# Altium PCB mantarray_beta2_sensor_arrayed.PcbDoc (part 5 of 14) (continued)
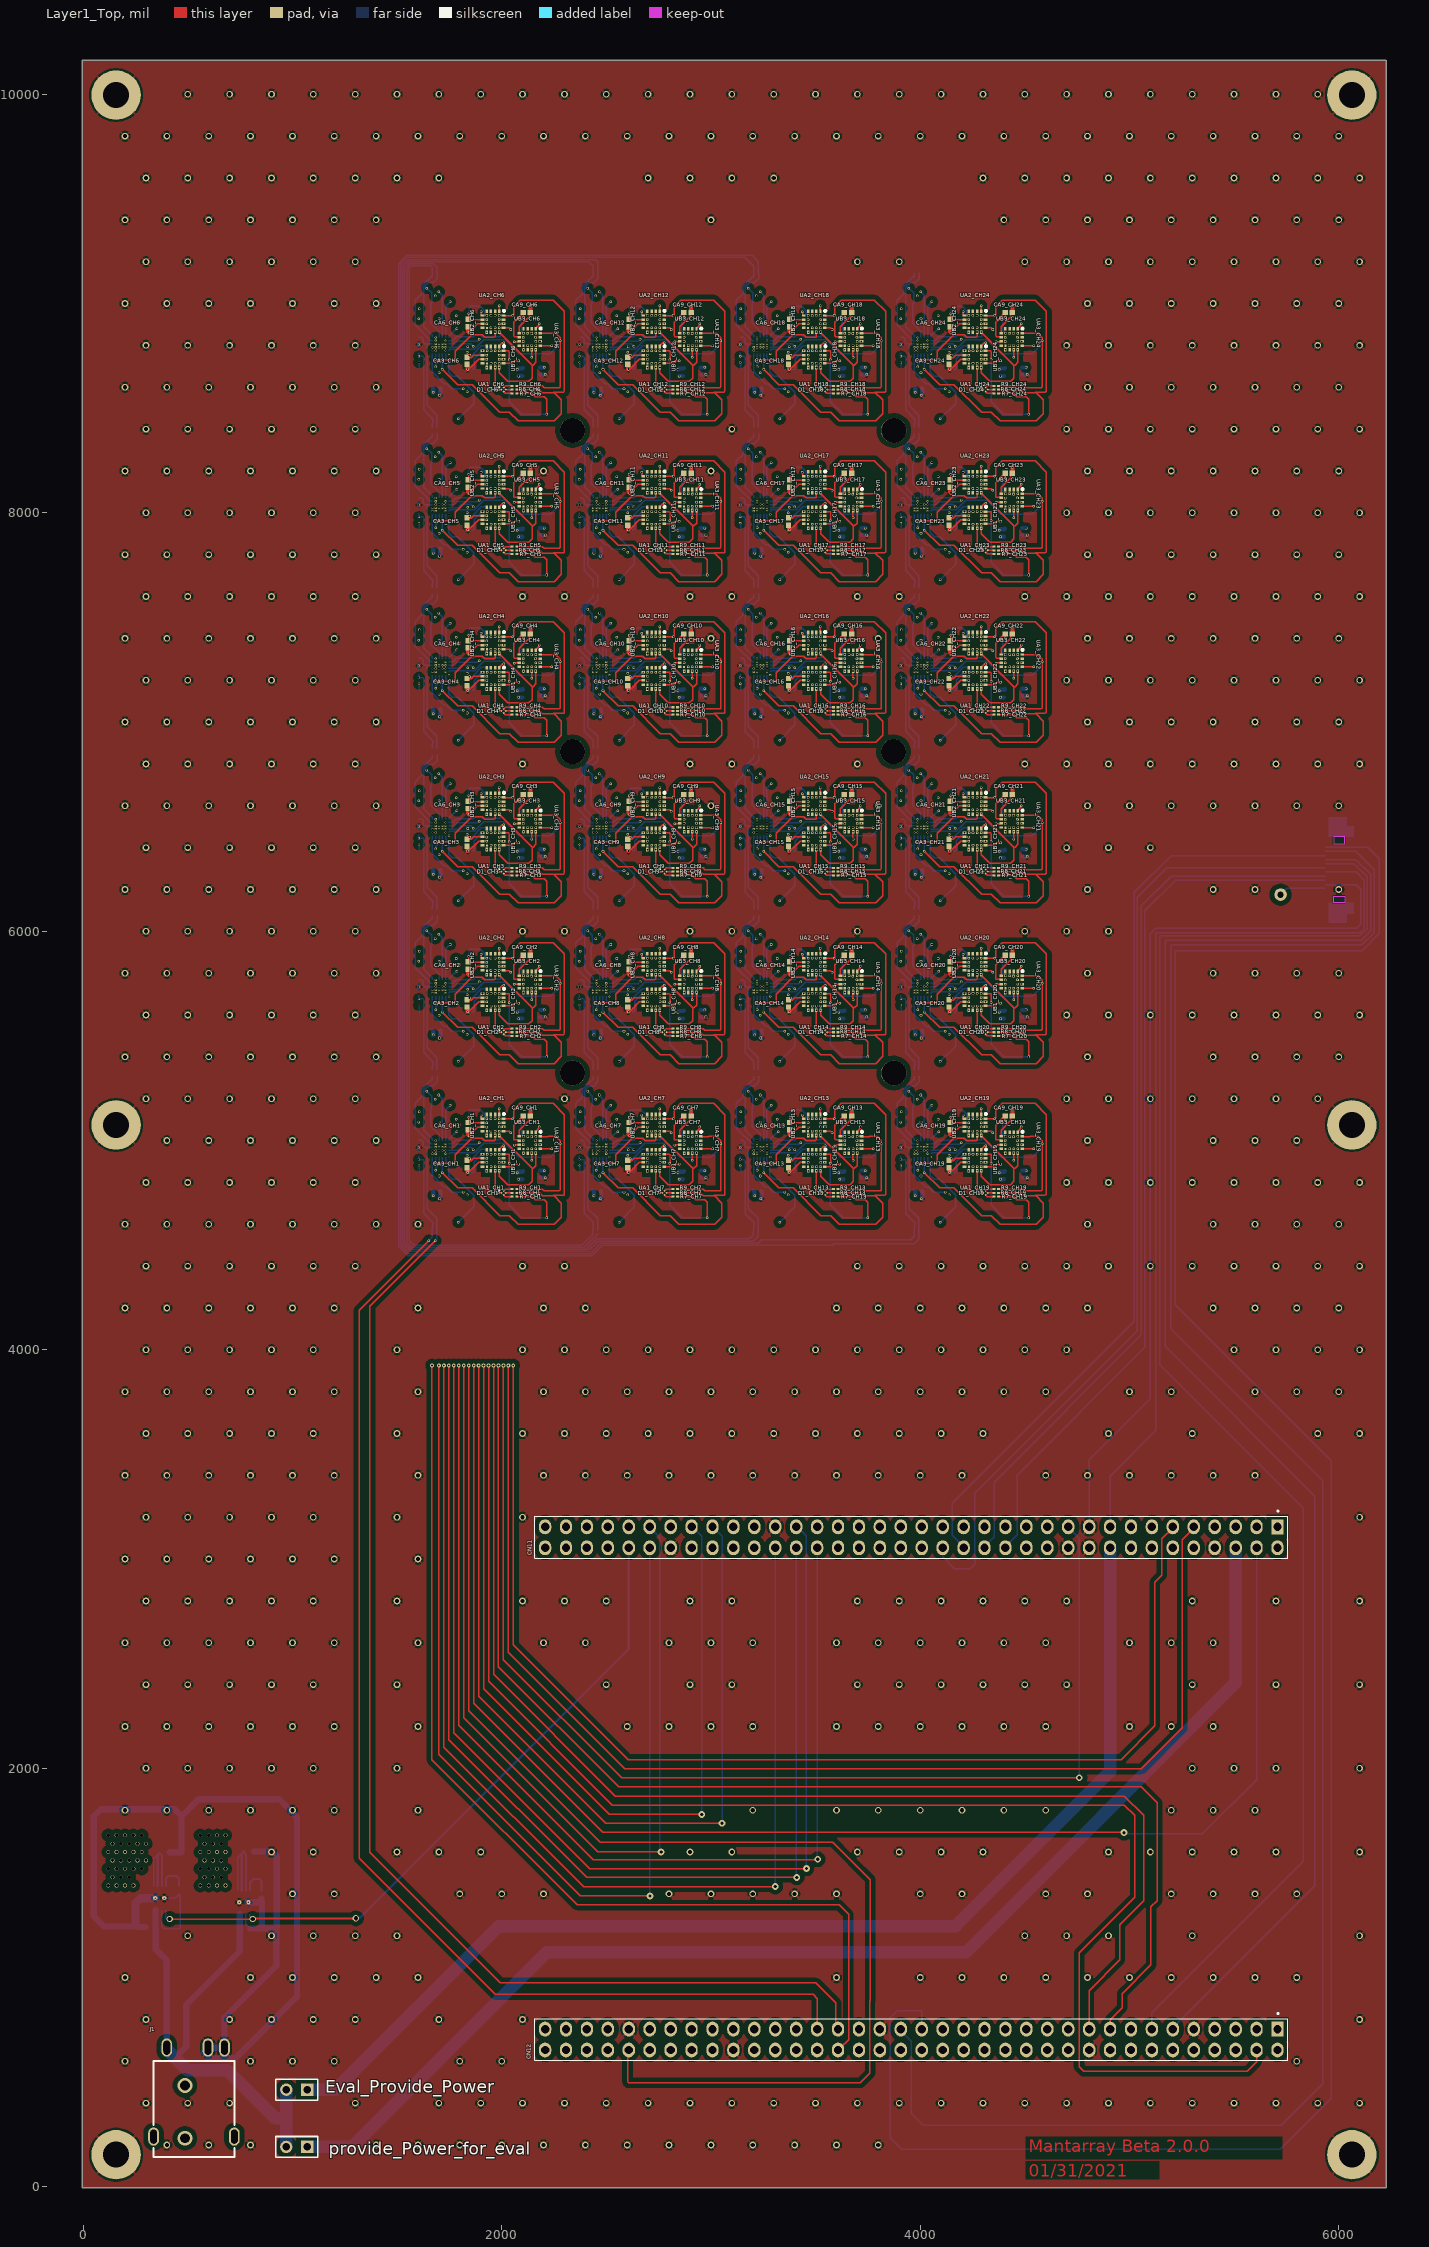
[diagram p0: Layer1_Top view]
## Nets (pads, with @x,y where several pads share a name; then routed paths per layer and width w, separated by ;. In a path a pad name is that pad's centre, name@x,y a point inside that pad or via, vN(x,y) a via of type N, cw(c..) or ccw(c..) an arc to the next point about the centre after c; other vN are vias at no path point) (continued)
  Layer7_sig2 w6: v4(1594.3,9358.08) 1594.74,9357.63 1616.48,9357.63 1616.92,9358.08 2329.38,9358.08 v4(2398.84,9288.61) ; v1(1603.68,5088.58) 1604.83,5087.43 1618.45,5087.43 1619.16,5086.72 1627.26,5086.72 1633.06,5092.52 1657.48,5092.52 1700.79,5049.21 v5(1700.79,4984.25) ; v1(1603.68,5856.3) 1604.83,5855.15 1618.45,5855.15 1619.16,5854.44 1627.26,5854.44 1633.06,5860.24 1657.48,5860.24 1700.79,5816.93 v5(1700.79,5751.97) ; v1(1603.68,6624.02) 1604.83,6622.87 1618.45,6622.87 1619.16,6622.16 1627.26,6622.16 1633.06,6627.95 1657.48,6627.95 1700.79,6584.65 v5(1700.79,6519.69) ; v1(1603.68,7391.73) 1604.83,7390.58 1618.45,7390.58 1619.16,7389.87 1627.26,7389.87 1633.06,7395.67 1657.48,7395.67 1700.79,7352.36 v5(1700.79,7287.4) ; v1(1603.68,8159.45) 1604.83,8158.3 1618.45,8158.3 1619.16,8157.59 1627.26,8157.59 1633.06,8163.39 1657.48,8163.39 1700.79,8120.08 v5(1700.79,8055.12) ; v1(1603.68,8927.17) 1604.83,8926.02 1618.45,8926.02 1619.16,8925.31 1627.26,8925.31 1633.06,8931.1 1657.48,8931.1 1700.79,8887.8 v5(1700.79,8822.83) ; v1(2371.39,5088.58) 2372.54,5087.43 2386.17,5087.43 2386.88,5086.72 2394.98,5086.72 2400.77,5092.52 2425.2,5092.52 2468.5,5049.21 v5(2468.5,4984.25) ; v1(2371.39,5856.3) 2372.54,5855.15 2386.17,5855.15 2386.88,5854.44 2394.98,5854.44 2400.77,5860.24 2425.2,5860.24 2468.5,5816.93 v5(2468.5,5751.97) ; v1(2371.39,6624.02) 2372.54,6622.87 2386.17,6622.87 2386.88,6622.16 2394.98,6622.16 2400.77,6627.95 2425.2,6627.95 2468.5,6584.65 v5(2468.5,6519.69) ; v1(2371.39,7391.73) 2372.54,7390.58 2386.17,7390.58 2386.88,7389.87 2394.98,7389.87 2400.77,7395.67 2425.2,7395.67 2468.5,7352.36 v5(2468.5,7287.4) ; v1(2371.39,8159.45) 2372.54,8158.3 2386.17,8158.3 2386.88,8157.59 2394.98,8157.59 2400.77,8163.39 2425.2,8163.39 2468.5,8120.08 v5(2468.5,8055.12) ; v1(2371.39,8927.17) 2372.54,8926.02 2386.17,8926.02 2386.88,8925.31 2394.98,8925.31 2400.77,8931.1 2425.2,8931.1 2468.5,8887.8 v5(2468.5,8822.83) ; v4(2389.57,4348.62) 2390.02,4349.06 2411.76,4349.06 2412.2,4348.62 3134.5,4348.62 v4(3250.22,4464.34) ; v1(3139.11,5088.58) 3140.26,5087.43 3153.88,5087.43 3154.59,5086.72 3162.7,5086.72 3168.49,5092.52 3192.91,5092.52 3236.22,5049.21 v5(3236.22,4984.25) ; v1(3139.11,5856.3) 3140.26,5855.15 3153.88,5855.15 3154.59,5854.44 3162.7,5854.44 3168.49,5860.24 3192.91,5860.24 3236.22,5816.93 v5(3236.22,5751.97) ; v1(3139.11,6624.02) 3140.26,6622.87 3153.88,6622.87 3154.59,6622.16 3162.7,6622.16 3168.49,6627.95 3192.91,6627.95 3236.22,6584.65 v5(3236.22,6519.69) ; v1(3139.11,7391.73) 3140.26,7390.58 3153.88,7390.58 3154.59,7389.87 3162.7,7389.87 3168.49,7395.67 3192.91,7395.67 3236.22,7352.36 v5(3236.22,7287.4) ; v1(3139.11,8159.45) 3140.26,8158.3 3153.88,8158.3 3154.59,8157.59 3162.7,8157.59 3168.49,8163.39 3192.91,8163.39 3236.22,8120.08 v5(3236.22,8055.12) ; v1(3139.11,8927.17) 3140.26,8926.02 3153.88,8926.02 3154.59,8925.31 3162.7,8925.31 3168.49,8931.1 3192.91,8931.1 3236.22,8887.8 v5(3236.22,8822.83) ; v4(3161.23,9340.36) 3161.67,9339.92 3903.8,9339.92 v4(3905.32,9338.39) ; v1(3906.83,5088.58) 3907.97,5087.43 3921.6,5087.43 3922.31,5086.72 3930.41,5086.72 3936.21,5092.52 3960.63,5092.52 4003.94,5049.21 v5(4003.94,4984.25) ; v1(3906.83,5856.3) 3907.97,5855.15 3921.6,5855.15 3922.31,5854.44 3930.41,5854.44 3936.21,5860.24 3960.63,5860.24 4003.94,5816.93 v5(4003.94,5751.97) ; v1(3906.83,6624.02) 3907.97,6622.87 3921.6,6622.87 3922.31,6622.16 3930.41,6622.16 3936.21,6627.95 3960.63,6627.95 4003.94,6584.65 v5(4003.94,6519.69) ; v1(3906.83,7391.73) 3907.97,7390.58 3921.6,7390.58 3922.31,7389.87 3930.41,7389.87 3936.21,7395.67 3960.63,7395.67 4003.94,7352.36 v5(4003.94,7287.4) ; v1(3906.83,8159.45) 3907.97,8158.3 3921.6,8158.3 3922.31,8157.59 3930.41,8157.59 3936.21,8163.39 3960.63,8163.39 4003.94,8120.08 v5(4003.94,8055.12) ; v1(3906.83,8927.17) 3907.97,8926.02 3921.6,8926.02 3922.31,8925.31 3930.41,8925.31 3936.21,8931.1 3960.63,8931.1 4003.94,8887.8 v5(4003.94,8822.83)
  Layer8_BOT w6: CN11.62@2707.48,3053.94 2707.48,1390.94 v9(2708.66,1389.76)
BUS7: CN12.44 pad.5@1708.66,4557.09 pad.5@1708.66,5320.87 pad.5@1708.66,5324.8 pad.5@1708.66,6088.58 pad.5@1708.66,6092.52 pad.5@1708.66,6856.3 pad.5@1708.66,6860.24 pad.5@1708.66,7624.02 pad.5@1708.66,7627.95 pad.5@1708.66,8391.73 pad.5@1708.66,8395.67 pad.5@1708.66,9159.45 pad.5@2476.38,4557.09 pad.5@2476.38,5320.87 pad.5@2476.38,5324.8 pad.5@2476.38,6088.58 pad.5@2476.38,6092.52 pad.5@2476.38,6856.3 pad.5@2476.38,6860.24 pad.5@2476.38,7624.02 pad.5@2476.38,7627.95 pad.5@2476.38,8391.73 pad.5@2476.38,8395.67 pad.5@2476.38,9159.45 pad.5@3244.09,4557.09 pad.5@3244.09,5320.87 pad.5@3244.09,5324.8 pad.5@3244.09,6088.58 pad.5@3244.09,6092.52 pad.5@3244.09,6856.3 pad.5@3244.09,6860.24 pad.5@3244.09,7624.02 pad.5@3244.09,7627.95 pad.5@3244.09,8391.73 pad.5@3244.09,8395.67 pad.5@3244.09,9159.45 pad.5@4011.81,4557.09 pad.5@4011.81,5320.87 pad.5@4011.81,5324.8 pad.5@4011.81,6088.58 pad.5@4011.81,6092.52 pad.5@4011.81,6856.3 pad.5@4011.81,6860.24 pad.5@4011.81,7624.02 pad.5@4011.81,7627.95 pad.5@4011.81,8391.73 pad.5@4011.81,8395.67 pad.5@4011.81,9159.45 U1_CH1.A4 U1_CH2.A4 U1_CH3.A4 U1_CH4.A4 U1_CH5.A4 U1_CH6.A4 U1_CH7.A4 U1_CH8.A4 U1_CH9.A4 U1_CH10.A4 U1_CH11.A4 U1_CH12.A4 U1_CH13.A4 U1_CH14.A4 U1_CH15.A4 U1_CH16.A4 U1_CH17.A4 U1_CH18.A4 U1_CH19.A4 U1_CH20.A4 U1_CH21.A4 U1_CH22.A4 U1_CH23.A4 U1_CH24.A4 | length 36691.8
  Layer1_Top w6: v8(1667.07,3925.19) 1667.07,2041.08 2361.23,1346.91 3612.63,1346.91 3657.48,1302.06 3657.48,701.94 3638.67,683.13 3636.68,683.13 CN12.44@3607.48,653.94
  Layer6_BUS w6: v4(1578.74,9342.52) 1708.66,9212.6 pad.5@1708.66,9159.45 ; v1(1642.76,5235.19) 1641.73,5236.22 1641.73,5248.03 ; v1(1642.76,6002.91) 1641.73,6003.94 1641.73,6015.75 ; v1(1642.76,6770.62) 1641.73,6771.65 1641.73,6783.46 ; v1(1642.76,7538.34) 1641.73,7539.37 1641.73,7551.18 ; v1(1642.76,8306.06) 1641.73,8307.09 1641.73,8318.9 ; v1(1642.76,9073.77) 1641.73,9074.8 1641.73,9086.61 ; v8(1667.07,3925.19) 1667.07,3970.22 1708.66,4011.81 pad.5@1708.66,4557.09 1708.66,4574.8 1580.36,4703.1 1580.36,5186.66 1641.73,5248.03 ; pad.5@1707.8,5323.95 1707.8,5314.1 1641.73,5248.03 ; pad.5@1707.8,6091.66 1707.8,6081.82 1641.73,6015.75 ; pad.5@1707.8,6859.38 1707.8,6849.54 1641.73,6783.46 ; pad.5@1707.8,7627.1 1707.8,7617.25 1641.73,7551.18 ; pad.5@1707.8,8394.81 1707.8,8384.97 1641.73,8318.9 ; pad.5@1707.8,9162.53 1707.8,9152.69 1641.73,9086.61 ; pad.5@1708.66,5324.8 1708.66,5342.52 1580.36,5470.82 1580.36,5954.38 1641.73,6015.75 ; pad.5@1708.66,6092.52 1708.66,6110.24 1580.36,6238.54 1580.36,6722.09 1641.73,6783.46 ; pad.5@1708.66,6860.24 1708.66,6877.95 1580.36,7006.25 1580.36,7489.81 1641.73,7551.18 ; pad.5@1708.66,7627.95 1708.66,7645.67 1580.36,7773.97 1580.36,8257.53 1641.73,8318.9 ; pad.5@1708.66,8395.67 1708.66,8413.39 1580.36,8541.68 1580.36,9025.24 1641.73,9086.61 ; v4(2374.02,4364.17) 2374.46,4364.62 2400.05,4364.62 2476.38,4440.94 pad.5@2476.38,4557.09 2476.38,4574.8 2348.08,4703.1 2348.08,5186.66 2409.45,5248.03 ; v4(2383.29,9273.05) 2476.38,9179.96 pad.5@2476.38,9159.45 ; v1(2410.48,5235.19) 2409.45,5236.22 2409.45,5248.03 ; v1(2410.48,6002.91) 2409.45,6003.94 2409.45,6015.75 ; v1(2410.48,6770.62) 2409.45,6771.65 2409.45,6783.46 ; v1(2410.48,7538.34) 2409.45,7539.37 2409.45,7551.18 ; v1(2410.48,8306.06) 2409.45,8307.09 2409.45,8318.9 ; v1(2410.48,9073.77) 2409.45,9074.8 2409.45,9086.61 ; pad.5@2475.52,5323.95 2475.52,5314.1 2409.45,5248.03 ; pad.5@2475.52,6091.66 2475.52,6081.82 2409.45,6015.75 ; pad.5@2475.52,6859.38 2475.52,6849.54 2409.45,6783.46 ; pad.5@2475.52,7627.1 2475.52,7617.25 2409.45,7551.18 ; pad.5@2475.52,8394.81 2475.52,8384.97 2409.45,8318.9 ; pad.5@2475.52,9162.53 2475.52,9152.69 2409.45,9086.61 ; pad.5@2476.38,5324.8 2476.38,5342.52 2348.08,5470.82 2348.08,5954.38 2409.45,6015.75 ; pad.5@2476.38,6092.52 2476.38,6110.24 2348.08,6238.54 2348.08,6722.09 2409.45,6783.46 ; pad.5@2476.38,6860.24 2476.38,6877.95 2348.08,7006.25 2348.08,7489.81 2409.45,7551.18 ; pad.5@2476.38,7627.95 2476.38,7645.67 2348.08,7773.97 2348.08,8257.53 2409.45,8318.9 ; pad.5@2476.38,8395.67 2476.38,8413.39 2348.08,8541.68 2348.08,9025.24 2409.45,9086.61 ; v4(3145.67,9324.8) 3244.09,9226.38 pad.5@3244.09,9159.45 ; v1(3178.2,5235.19) 3177.17,5236.22 3177.17,5248.03 ; v1(3178.2,6002.91) 3177.17,6003.94 3177.17,6015.75 ; v1(3178.2,6770.62) 3177.17,6771.65 3177.17,6783.46 ; v1(3178.2,7538.34) 3177.17,7539.37 3177.17,7551.18 ; v1(3178.2,8306.06) 3177.17,8307.09 3177.17,8318.9 ; v1(3178.2,9073.77) 3177.17,9074.8 3177.17,9086.61 ; v4(3234.67,4479.9) 3234.67,4483.15 3244.09,4492.58 pad.5@3244.09,4557.09 3244.09,4574.8 3115.8,4703.1 3115.8,5186.66 3177.17,5248.03 ; pad.5@3243.24,5323.95 3243.24,5314.1 3177.17,5248.03 ; pad.5@3243.24,6091.66 3243.24,6081.82 3177.17,6015.75 ; pad.5@3243.24,6859.38 3243.24,6849.54 3177.17,6783.46 ; pad.5@3243.24,7627.1 3243.24,7617.25 3177.17,7551.18 ; pad.5@3243.24,8394.81 3243.24,8384.97 3177.17,8318.9 ; pad.5@3243.24,9162.53 3243.24,9152.69 3177.17,9086.61 ; pad.5@3244.09,5324.8 3244.09,5342.52 3115.8,5470.82 3115.8,5954.38 3177.17,6015.75 ; pad.5@3244.09,6092.52 3244.09,6110.24 3115.8,6238.54 3115.8,6722.09 3177.17,6783.46 ; pad.5@3244.09,6860.24 3244.09,6877.95 3115.8,7006.25 3115.8,7489.81 3177.17,7551.18 ; pad.5@3244.09,7627.95 3244.09,7645.67 3115.8,7773.97 3115.8,8257.53 3177.17,8318.9 ; pad.5@3244.09,8395.67 3244.09,8413.39 3115.8,8541.68 3115.8,9025.24 3177.17,9086.61 ; v4(3889.76,9322.83) 4011.06,9201.54 pad.5@4011.06,9160.2 ; v1(3945.91,5235.19) 3944.88,5236.22 3944.88,5248.03 ; v1(3945.91,6002.91) 3944.88,6003.94 3944.88,6015.75 ; v1(3945.91,6770.62) 3944.88,6771.65 3944.88,6783.46 ; v1(3945.91,7538.34) 3944.88,7539.37 3944.88,7551.18 ; v1(3945.91,8306.06) 3944.88,8307.09 3944.88,8318.9 ; v1(3945.91,9073.77) 3944.88,9074.8 3944.88,9086.61 ; pad.5@4010.95,5323.95 4010.95,5314.1 3944.88,5248.03 ; pad.5@4010.95,6091.66 4010.95,6081.82 3944.88,6015.75 ; pad.5@4010.95,6859.38 4010.95,6849.54 3944.88,6783.46 ; pad.5@4010.95,7627.1 4010.95,7617.25 3944.88,7551.18 ; pad.5@4010.95,8394.81 4010.95,8384.97 3944.88,8318.9 ; pad.5@4010.95,9162.53 4010.95,9152.69 3944.88,9086.61 ; pad.5@4011.81,4557.09 4011.81,4574.8 3883.51,4703.1 3883.51,5186.66 3944.88,5248.03 ; pad.5@4011.81,5324.8 4011.81,5342.52 3883.51,5470.82 3883.51,5954.38 3944.88,6015.75 ; pad.5@4011.81,6092.52 4011.81,6110.24 3883.51,6238.54 3883.51,6722.09 3944.88,6783.46 ; pad.5@4011.81,6860.24 4011.81,6877.95 3883.51,7006.25 3883.51,7489.81 3944.88,7551.18 ; pad.5@4011.81,7627.95 4011.81,7645.67 3883.51,7773.97 3883.51,8257.53 3944.88,8318.9 ; pad.5@4011.81,8395.67 4011.81,8413.39 3883.51,8541.68 3883.51,9025.24 3944.88,9086.61
  Layer7_sig2 w6: v4(1578.74,9342.52) 1579.18,9342.08 1600.92,9342.08 1601.37,9342.52 2313.82,9342.52 v4(2383.29,9273.05) ; v4(2374.02,4364.17) 2374.46,4364.62 2396.2,4364.62 2396.64,4364.17 3118.94,4364.17 v4(3234.67,4479.9) ; v4(3145.67,9324.8) 3146.11,9324.36 3888.24,9324.36 v4(3889.76,9322.83)
  Layer8_BOT w6: v1(1642.76,5235.19) 1665.35,5212.6 1665.35,5164.54 1661.42,5160.61 1661.42,5068.9 1700.79,5029.53 U1_CH1.A4@1700.79,5000 ; v1(1642.76,6002.91) 1665.35,5980.31 1665.35,5932.26 1661.42,5928.32 1661.42,5836.61 1700.79,5797.24 U1_CH2.A4@1700.79,5767.72 ; v1(1642.76,6770.62) 1665.35,6748.03 1665.35,6699.98 1661.42,6696.04 1661.42,6604.33 1700.79,6564.96 U1_CH3.A4@1700.79,6535.43 ; v1(1642.76,7538.34) 1665.35,7515.75 1665.35,7467.69 1661.42,7463.76 1661.42,7372.05 1700.79,7332.68 U1_CH4.A4@1700.79,7303.15 ; v1(1642.76,8306.06) 1665.35,8283.46 1665.35,8235.41 1661.42,8231.47 1661.42,8139.76 1700.79,8100.39 U1_CH5.A4@1700.79,8070.87 ; v1(1642.76,9073.77) 1665.35,9051.18 1665.35,9003.13 1661.42,8999.19 1661.42,8907.48 1700.79,8868.11 U1_CH6.A4@1700.79,8838.58 ; v1(2410.48,5235.19) 2433.07,5212.6 2433.07,5164.54 2429.13,5160.61 2429.13,5068.9 2468.5,5029.53 U1_CH7.A4@2468.5,5000 ; v1(2410.48,6002.91) 2433.07,5980.31 2433.07,5932.26 2429.13,5928.32 2429.13,5836.61 2468.5,5797.24 U1_CH8.A4@2468.5,5767.72 ; v1(2410.48,6770.62) 2433.07,6748.03 2433.07,6699.98 2429.13,6696.04 2429.13,6604.33 2468.5,6564.96 U1_CH9.A4@2468.5,6535.43 ; v1(2410.48,7538.34) 2433.07,7515.75 2433.07,7467.69 2429.13,7463.76 2429.13,7372.05 2468.5,7332.68 U1_CH10.A4@2468.5,7303.15 ; v1(2410.48,8306.06) 2433.07,8283.46 2433.07,8235.41 2429.13,8231.47 2429.13,8139.76 2468.5,8100.39 U1_CH11.A4@2468.5,8070.87 ; v1(2410.48,9073.77) 2433.07,9051.18 2433.07,9003.13 2429.13,8999.19 2429.13,8907.48 2468.5,8868.11 U1_CH12.A4@2468.5,8838.58 ; v1(3178.2,5235.19) 3200.79,5212.6 3200.79,5164.54 3196.85,5160.61 3196.85,5068.9 3236.22,5029.53 U1_CH13.A4@3236.22,5000 ; v1(3178.2,6002.91) 3200.79,5980.31 3200.79,5932.26 3196.85,5928.32 3196.85,5836.61 3236.22,5797.24 U1_CH14.A4@3236.22,5767.72 ; v1(3178.2,6770.62) 3200.79,6748.03 3200.79,6699.98 3196.85,6696.04 3196.85,6604.33 3236.22,6564.96 U1_CH15.A4@3236.22,6535.43 ; v1(3178.2,7538.34) 3200.79,7515.75 3200.79,7467.69 3196.85,7463.76 3196.85,7372.05 3236.22,7332.68 U1_CH16.A4@3236.22,7303.15 ; v1(3178.2,8306.06) 3200.79,8283.46 3200.79,8235.41 3196.85,8231.47 3196.85,8139.76 3236.22,8100.39 U1_CH17.A4@3236.22,8070.87 ; v1(3178.2,9073.77) 3200.79,9051.18 3200.79,9003.13 3196.85,8999.19 3196.85,8907.48 3236.22,8868.11 U1_CH18.A4@3236.22,8838.58 ; v1(3945.91,5235.19) 3968.5,5212.6 3968.5,5164.54 3964.57,5160.61 3964.57,5068.9 4003.94,5029.53 U1_CH19.A4@4003.94,5000 ; v1(3945.91,6002.91) 3968.5,5980.31 3968.5,5932.26 3964.57,5928.32 3964.57,5836.61 4003.94,5797.24 U1_CH20.A4@4003.94,5767.72 ; v1(3945.91,6770.62) 3968.5,6748.03 3968.5,6699.98 3964.57,6696.04 3964.57,6604.33 4003.94,6564.96 U1_CH21.A4@4003.94,6535.43 ; v1(3945.91,7538.34) 3968.5,7515.75 3968.5,7467.69 3964.57,7463.76 3964.57,7372.05 4003.94,7332.68 U1_CH22.A4@4003.94,7303.15 ; v1(3945.91,8306.06) 3968.5,8283.46 3968.5,8235.41 3964.57,8231.47 3964.57,8139.76 4003.94,8100.39 U1_CH23.A4@4003.94,8070.87 ; v1(3945.91,9073.77) 3968.5,9051.18 3968.5,9003.13 3964.57,8999.19 3964.57,8907.48 4003.94,8868.11 U1_CH24.A4@4003.94,8838.58
BUS8: CN12.40
BUS9: CN12.52
BUS10: CN12.47
BUS11: CN12.56
BUS12: CN12.49
BUS13: CN12.55
BUS14: CN12.51
BUS15: CN12.53
BUS_C0: CN11.57 pad.5@1905.51,4557.09 pad.5@1905.51,5320.87 pad.5@1905.51,5324.8 pad.5@1905.51,6088.58 pad.5@1905.51,6092.52 pad.5@1905.51,6856.3 pad.5@1905.51,6860.24 pad.5@1905.51,7624.02 pad.5@1905.51,7627.95 pad.5@1905.51,8391.73 pad.5@1905.51,8395.67 pad.5@1905.51,9159.45 pad.5@2673.23,4557.09 pad.5@2673.23,5320.87 pad.5@2673.23,5324.8 pad.5@2673.23,6088.58 pad.5@2673.23,6092.52 pad.5@2673.23,6856.3 pad.5@2673.23,6860.24 pad.5@2673.23,7624.02 pad.5@2673.23,7627.95 pad.5@2673.23,8391.73 pad.5@2673.23,8395.67 pad.5@2673.23,9159.45 pad.5@3440.95,4557.09 pad.5@3440.95,5320.87 pad.5@3440.95,5324.8 pad.5@3440.95,6088.58 pad.5@3440.95,6092.52 pad.5@3440.95,6856.3 pad.5@3440.95,6860.24 pad.5@3440.95,7624.02 pad.5@3440.95,7627.95 pad.5@3440.95,8391.73 pad.5@3440.95,8395.67 pad.5@3440.95,9159.45 pad.5@4208.66,4557.09 pad.5@4208.66,5320.87 pad.5@4208.66,5324.8 pad.5@4208.66,6088.58 pad.5@4208.66,6092.52 pad.5@4208.66,6856.3 pad.5@4208.66,6860.24 pad.5@4208.66,7624.02 pad.5@4208.66,7627.95 pad.5@4208.66,8391.73 pad.5@4208.66,8395.67 pad.5@4208.66,9159.45 U1_CH1.A1 U1_CH2.A1 U1_CH3.A1 U1_CH4.A1 U1_CH5.A1 U1_CH6.A1 U1_CH7.A1 U1_CH8.A1 U1_CH9.A1 U1_CH10.A1 U1_CH11.A1 U1_CH12.A1 U1_CH13.A1 U1_CH14.A1 U1_CH15.A1 U1_CH16.A1 U1_CH17.A1 U1_CH18.A1 U1_CH19.A1 U1_CH20.A1 U1_CH21.A1 U1_CH22.A1 U1_CH23.A1 U1_CH24.A1 | length 31715.3
  Layer1_Top w6: v8(1913.57,3925.2) 1913.57,2380.52 2514.57,1779.53 v9(2956.69,1779.53)
  Layer6_BUS w6: v4(1734.3,9498.08) 1905.51,9326.87 pad.5@1905.51,9159.45 1905.51,9137.8 1795.28,9027.56 1795.28,8879.92 ; v1(1786.37,5041.34) 1795.28,5041.34 ; v1(1786.37,5809.06) 1795.28,5809.06 ; v1(1786.37,6576.77) 1795.28,6576.77 ; v1(1786.37,7344.49) 1795.28,7344.49 ; v1(1786.37,8112.2) 1795.28,8112.2 ; v1(1786.37,8879.92) 1795.28,8879.92 ; pad.5@1905.51,4555.12 1905.51,4625.98 1795.28,4736.22 1795.28,5041.34 ; pad.5@1905.51,4557.09 1905.51,3958.66 1913.57,3950.6 v8(1913.57,3925.2) ; pad.5@1905.51,5320.87 1905.51,5299.21 1795.28,5188.98 1795.28,5041.34 ; pad.5@1905.51,5322.83 1905.51,5393.7 1795.28,5503.94 1795.28,5809.06 ; pad.5@1905.51,6088.58 1905.51,6066.93 1795.28,5956.69 1795.28,5809.06 ; pad.5@1905.51,6090.55 1905.51,6161.42 1795.28,6271.65 1795.28,6576.77 ; pad.5@1905.51,6856.3 1905.51,6834.65 1795.28,6724.41 1795.28,6576.77 ; pad.5@1905.51,6858.27 1905.51,6929.13 1795.28,7039.37 1795.28,7344.49 ; pad.5@1905.51,7624.02 1905.51,7602.36 1795.28,7492.13 1795.28,7344.49 ; pad.5@1905.51,7625.98 1905.51,7696.85 1795.28,7807.09 1795.28,8112.2 ; pad.5@1905.51,8391.73 1905.51,8370.08 1795.28,8259.84 1795.28,8112.2 ; pad.5@1905.51,8393.7 1905.51,8464.57 1795.28,8574.8 1795.28,8879.92 ; v4(2529.58,4208.61) 2673.23,4352.26 pad.5@2673.23,4557.09 ; v4(2538.85,9428.62) 2673.23,9294.24 pad.5@2673.23,9159.45 2673.23,9137.8 2562.99,9027.56 2562.99,8879.92 ; v1(2554.09,5041.34) 2562.99,5041.34 ; v1(2554.09,5809.06) 2562.99,5809.06 ; v1(2554.09,6576.77) 2562.99,6576.77 ; v1(2554.09,7344.49) 2562.99,7344.49 ; v1(2554.09,8112.2) 2562.99,8112.2 ; v1(2554.09,8879.92) 2562.99,8879.92 ; pad.5@2673.23,4555.12 2673.23,4625.98 2562.99,4736.22 2562.99,5041.34 ; pad.5@2673.23,5320.87 2673.23,5299.21 2562.99,5188.98 2562.99,5041.34 ; pad.5@2673.23,5322.83 2673.23,5393.7 2562.99,5503.94 2562.99,5809.06 ; pad.5@2673.23,6088.58 2673.23,6066.93 2562.99,5956.69 2562.99,5809.06 ; pad.5@2673.23,6090.55 2673.23,6161.42 2562.99,6271.65 2562.99,6576.77 ; pad.5@2673.23,6856.3 2673.23,6834.65 2562.99,6724.41 2562.99,6576.77 ; pad.5@2673.23,6858.27 2673.23,6929.13 2562.99,7039.37 2562.99,7344.49 ; pad.5@2673.23,7624.02 2673.23,7602.36 2562.99,7492.13 2562.99,7344.49 ; pad.5@2673.23,7625.98 2673.23,7696.85 2562.99,7807.09 2562.99,8112.2 ; pad.5@2673.23,8391.73 2673.23,8370.08 2562.99,8259.84 2562.99,8112.2 ; pad.5@2673.23,8393.7 2673.23,8464.57 2562.99,8574.8 2562.99,8879.92 ; v4(3301.23,9480.37) 3440.95,9340.65 pad.5@3440.95,9159.45 3440.95,9137.8 3330.71,9027.56 3330.71,8879.92 ; v1(3321.8,5041.34) 3330.71,5041.34 ; v1(3321.8,5809.06) 3330.71,5809.06 ; v1(3321.8,6576.77) 3330.71,6576.77 ; v1(3321.8,7344.49) 3330.71,7344.49 ; v1(3321.8,8112.2) 3330.71,8112.2 ; v1(3321.8,8879.92) 3330.71,8879.92 ; v4(3390.23,4324.34) 3440.95,4375.05 pad.5@3440.95,4557.09 ; pad.5@3440.94,4555.12 3440.94,4625.98 3330.71,4736.22 3330.71,5041.34 ; pad.5@3440.95,5320.87 3440.95,5299.21 3330.71,5188.98 3330.71,5041.34 ; pad.5@3440.94,5322.83 3440.94,5393.7 3330.71,5503.94 3330.71,5809.06 ; pad.5@3440.95,6088.58 3440.95,6066.93 3330.71,5956.69 3330.71,5809.06 ; pad.5@3440.94,6090.55 3440.94,6161.42 3330.71,6271.65 3330.71,6576.77 ; pad.5@3440.95,6856.3 3440.95,6834.65 3330.71,6724.41 3330.71,6576.77 ; pad.5@3440.94,6858.27 3440.94,6929.13 3330.71,7039.37 3330.71,7344.49 ; pad.5@3440.95,7624.02 3440.95,7602.36 3330.71,7492.13 3330.71,7344.49 ; pad.5@3440.94,7625.98 3440.94,7696.85 3330.71,7807.09 3330.71,8112.2 ; pad.5@3440.95,8391.73 3440.95,8370.08 3330.71,8259.84 3330.71,8112.2 ; pad.5@3440.94,8393.7 3440.94,8464.57 3330.71,8574.8 3330.71,8879.92 ; v4(4045.33,9478.4) 4208.85,9314.87 pad.5@4208.85,9159.64 ; v1(4089.52,5041.34) 4098.43,5041.34 ; v1(4089.52,5809.06) 4098.43,5809.06 ; v1(4089.52,6576.77) 4098.43,6576.77 ; v1(4089.52,7344.49) 4098.43,7344.49 ; v1(4089.52,8112.2) 4098.43,8112.2 ; v1(4089.52,8879.92) 4098.43,8879.92 ; pad.5@4208.66,4555.12 4208.66,4625.98 4098.43,4736.22 4098.43,5041.34 ; pad.5@4208.66,5320.87 4208.66,5299.21 4098.43,5188.98 4098.43,5041.34 ; pad.5@4208.66,5322.83 4208.66,5393.7 4098.43,5503.94 4098.43,5809.06 ; pad.5@4208.66,6088.58 4208.66,6066.93 4098.43,5956.69 4098.43,5809.06 ; pad.5@4208.66,6090.55 4208.66,6161.42 4098.43,6271.65 4098.43,6576.77 ; pad.5@4208.66,6856.3 4208.66,6834.65 4098.43,6724.41 4098.43,6576.77 ; pad.5@4208.66,6858.27 4208.66,6929.13 4098.43,7039.37 4098.43,7344.49 ; pad.5@4208.66,7624.02 4208.66,7602.36 4098.43,7492.13 4098.43,7344.49 ; pad.5@4208.66,7625.98 4208.66,7696.85 4098.43,7807.09 4098.43,8112.2 ; pad.5@4208.66,8391.73 4208.66,8370.08 4098.43,8259.84 4098.43,8112.2 ; pad.5@4208.66,8393.7 4208.66,8464.57 4098.43,8574.8 4098.43,8879.92 ; pad.5@4208.66,9159.45 4208.66,9137.8 4098.43,9027.56 4098.43,8879.92
  Layer7_sig2 w6: v4(1734.3,9498.08) 1734.75,9497.64 1756.49,9497.64 1756.93,9498.08 2466.48,9498.08 2535.95,9428.62 v4(2538.85,9428.62) ; v4(2529.58,4208.61) 2530.02,4209.05 2551.76,4209.05 2552.21,4208.61 3273.57,4208.61 3389.3,4324.34 v4(3390.23,4324.34) ; v4(3301.23,9480.37) 3301.68,9479.92 4043.8,9479.92 v4(4045.33,9478.4)
  Layer8_BOT w6: U1_CH1.A1@1748.03,5000 1748.56,5000.53 1748.56,5006.43 1773.62,5031.5 1775.41,5031.5 1785.25,5041.34 v1(1786.37,5041.34) ; U1_CH2.A1@1748.03,5767.72 1748.56,5768.25 1748.56,5774.15 1773.62,5799.21 1775.41,5799.21 1785.25,5809.06 v1(1786.37,5809.06) ; U1_CH3.A1@1748.03,6535.43 1748.56,6535.96 1748.56,6541.87 1773.62,6566.93 1775.41,6566.93 1785.25,6576.77 v1(1786.37,6576.77) ; U1_CH4.A1@1748.03,7303.15 1748.56,7303.68 1748.56,7309.58 1773.62,7334.65 1775.41,7334.65 1785.25,7344.49 v1(1786.37,7344.49) ; U1_CH5.A1@1748.03,8070.87 1748.56,8071.4 1748.56,8077.3 1773.62,8102.36 1775.41,8102.36 1785.25,8112.2 v1(1786.37,8112.2) ; U1_CH6.A1@1748.03,8838.58 1748.56,8839.11 1748.56,8845.02 1773.62,8870.08 1775.41,8870.08 1785.25,8879.92 v1(1786.37,8879.92) ; U1_CH7.A1@2515.75,5000 2516.28,5000.53 2516.28,5006.43 2541.34,5031.5 2543.13,5031.5 2552.97,5041.34 v1(2554.09,5041.34) ; U1_CH8.A1@2515.75,5767.72 2516.28,5768.25 2516.28,5774.15 2541.34,5799.21 2543.13,5799.21 2552.97,5809.06 v1(2554.09,5809.06) ; U1_CH9.A1@2515.75,6535.43 2516.28,6535.96 2516.28,6541.87 2541.34,6566.93 2543.13,6566.93 2552.97,6576.77 v1(2554.09,6576.77) ; U1_CH10.A1@2515.75,7303.15 2516.28,7303.68 2516.28,7309.58 2541.34,7334.65 2543.13,7334.65 2552.97,7344.49 v1(2554.09,7344.49) ; U1_CH11.A1@2515.75,8070.87 2516.28,8071.4 2516.28,8077.3 2541.34,8102.36 2543.13,8102.36 2552.97,8112.2 v1(2554.09,8112.2) ; U1_CH12.A1@2515.75,8838.58 2516.28,8839.11 2516.28,8845.02 2541.34,8870.08 2543.13,8870.08 2552.97,8879.92 v1(2554.09,8879.92) ; CN11.57@2907.48,3153.94 2911.02,3153.94 2956.69,3108.27 v9(2956.69,1779.53) ; U1_CH13.A1@3283.46,5000 3283.99,5000.53 3283.99,5006.43 3309.06,5031.5 3310.84,5031.5 3320.68,5041.34 v1(3321.8,5041.34) ; U1_CH14.A1@3283.46,5767.72 3283.99,5768.25 3283.99,5774.15 3309.06,5799.21 3310.84,5799.21 3320.68,5809.06 v1(3321.8,5809.06) ; U1_CH15.A1@3283.46,6535.43 3283.99,6535.96 3283.99,6541.87 3309.06,6566.93 3310.84,6566.93 3320.68,6576.77 v1(3321.8,6576.77) ; U1_CH16.A1@3283.46,7303.15 3283.99,7303.68 3283.99,7309.58 3309.06,7334.65 3310.84,7334.65 3320.68,7344.49 v1(3321.8,7344.49) ; U1_CH17.A1@3283.46,8070.87 3283.99,8071.4 3283.99,8077.3 3309.06,8102.36 3310.84,8102.36 3320.68,8112.2 v1(3321.8,8112.2) ; U1_CH18.A1@3283.46,8838.58 3283.99,8839.11 3283.99,8845.02 3309.06,8870.08 3310.84,8870.08 3320.68,8879.92 v1(3321.8,8879.92) ; U1_CH19.A1@4051.18,5000 4051.71,5000.53 4051.71,5006.43 4076.77,5031.5 4078.56,5031.5 4088.4,5041.34 v1(4089.52,5041.34) ; U1_CH20.A1@4051.18,5767.72 4051.71,5768.25 4051.71,5774.15 4076.77,5799.21 4078.56,5799.21 4088.4,5809.06 v1(4089.52,5809.06) ; U1_CH21.A1@4051.18,6535.43 4051.71,6535.96 4051.71,6541.87 4076.77,6566.93 4078.56,6566.93 4088.4,6576.77 v1(4089.52,6576.77) ; U1_CH22.A1@4051.18,7303.15 4051.71,7303.68 4051.71,7309.58 4076.77,7334.65 4078.56,7334.65 4088.4,7344.49 v1(4089.52,7344.49) ; U1_CH23.A1@4051.18,8070.87 4051.71,8071.4 4051.71,8077.3 4076.77,8102.36 4078.56,8102.36 4088.4,8112.2 v1(4089.52,8112.2) ; U1_CH24.A1@4051.18,8838.58 4051.71,8839.11 4051.71,8845.02 4076.77,8870.08 4078.56,8870.08 4088.4,8879.92 v1(4089.52,8879.92)